# Altium PCB amp.PcbDoc (part 7 of 20) (continued)
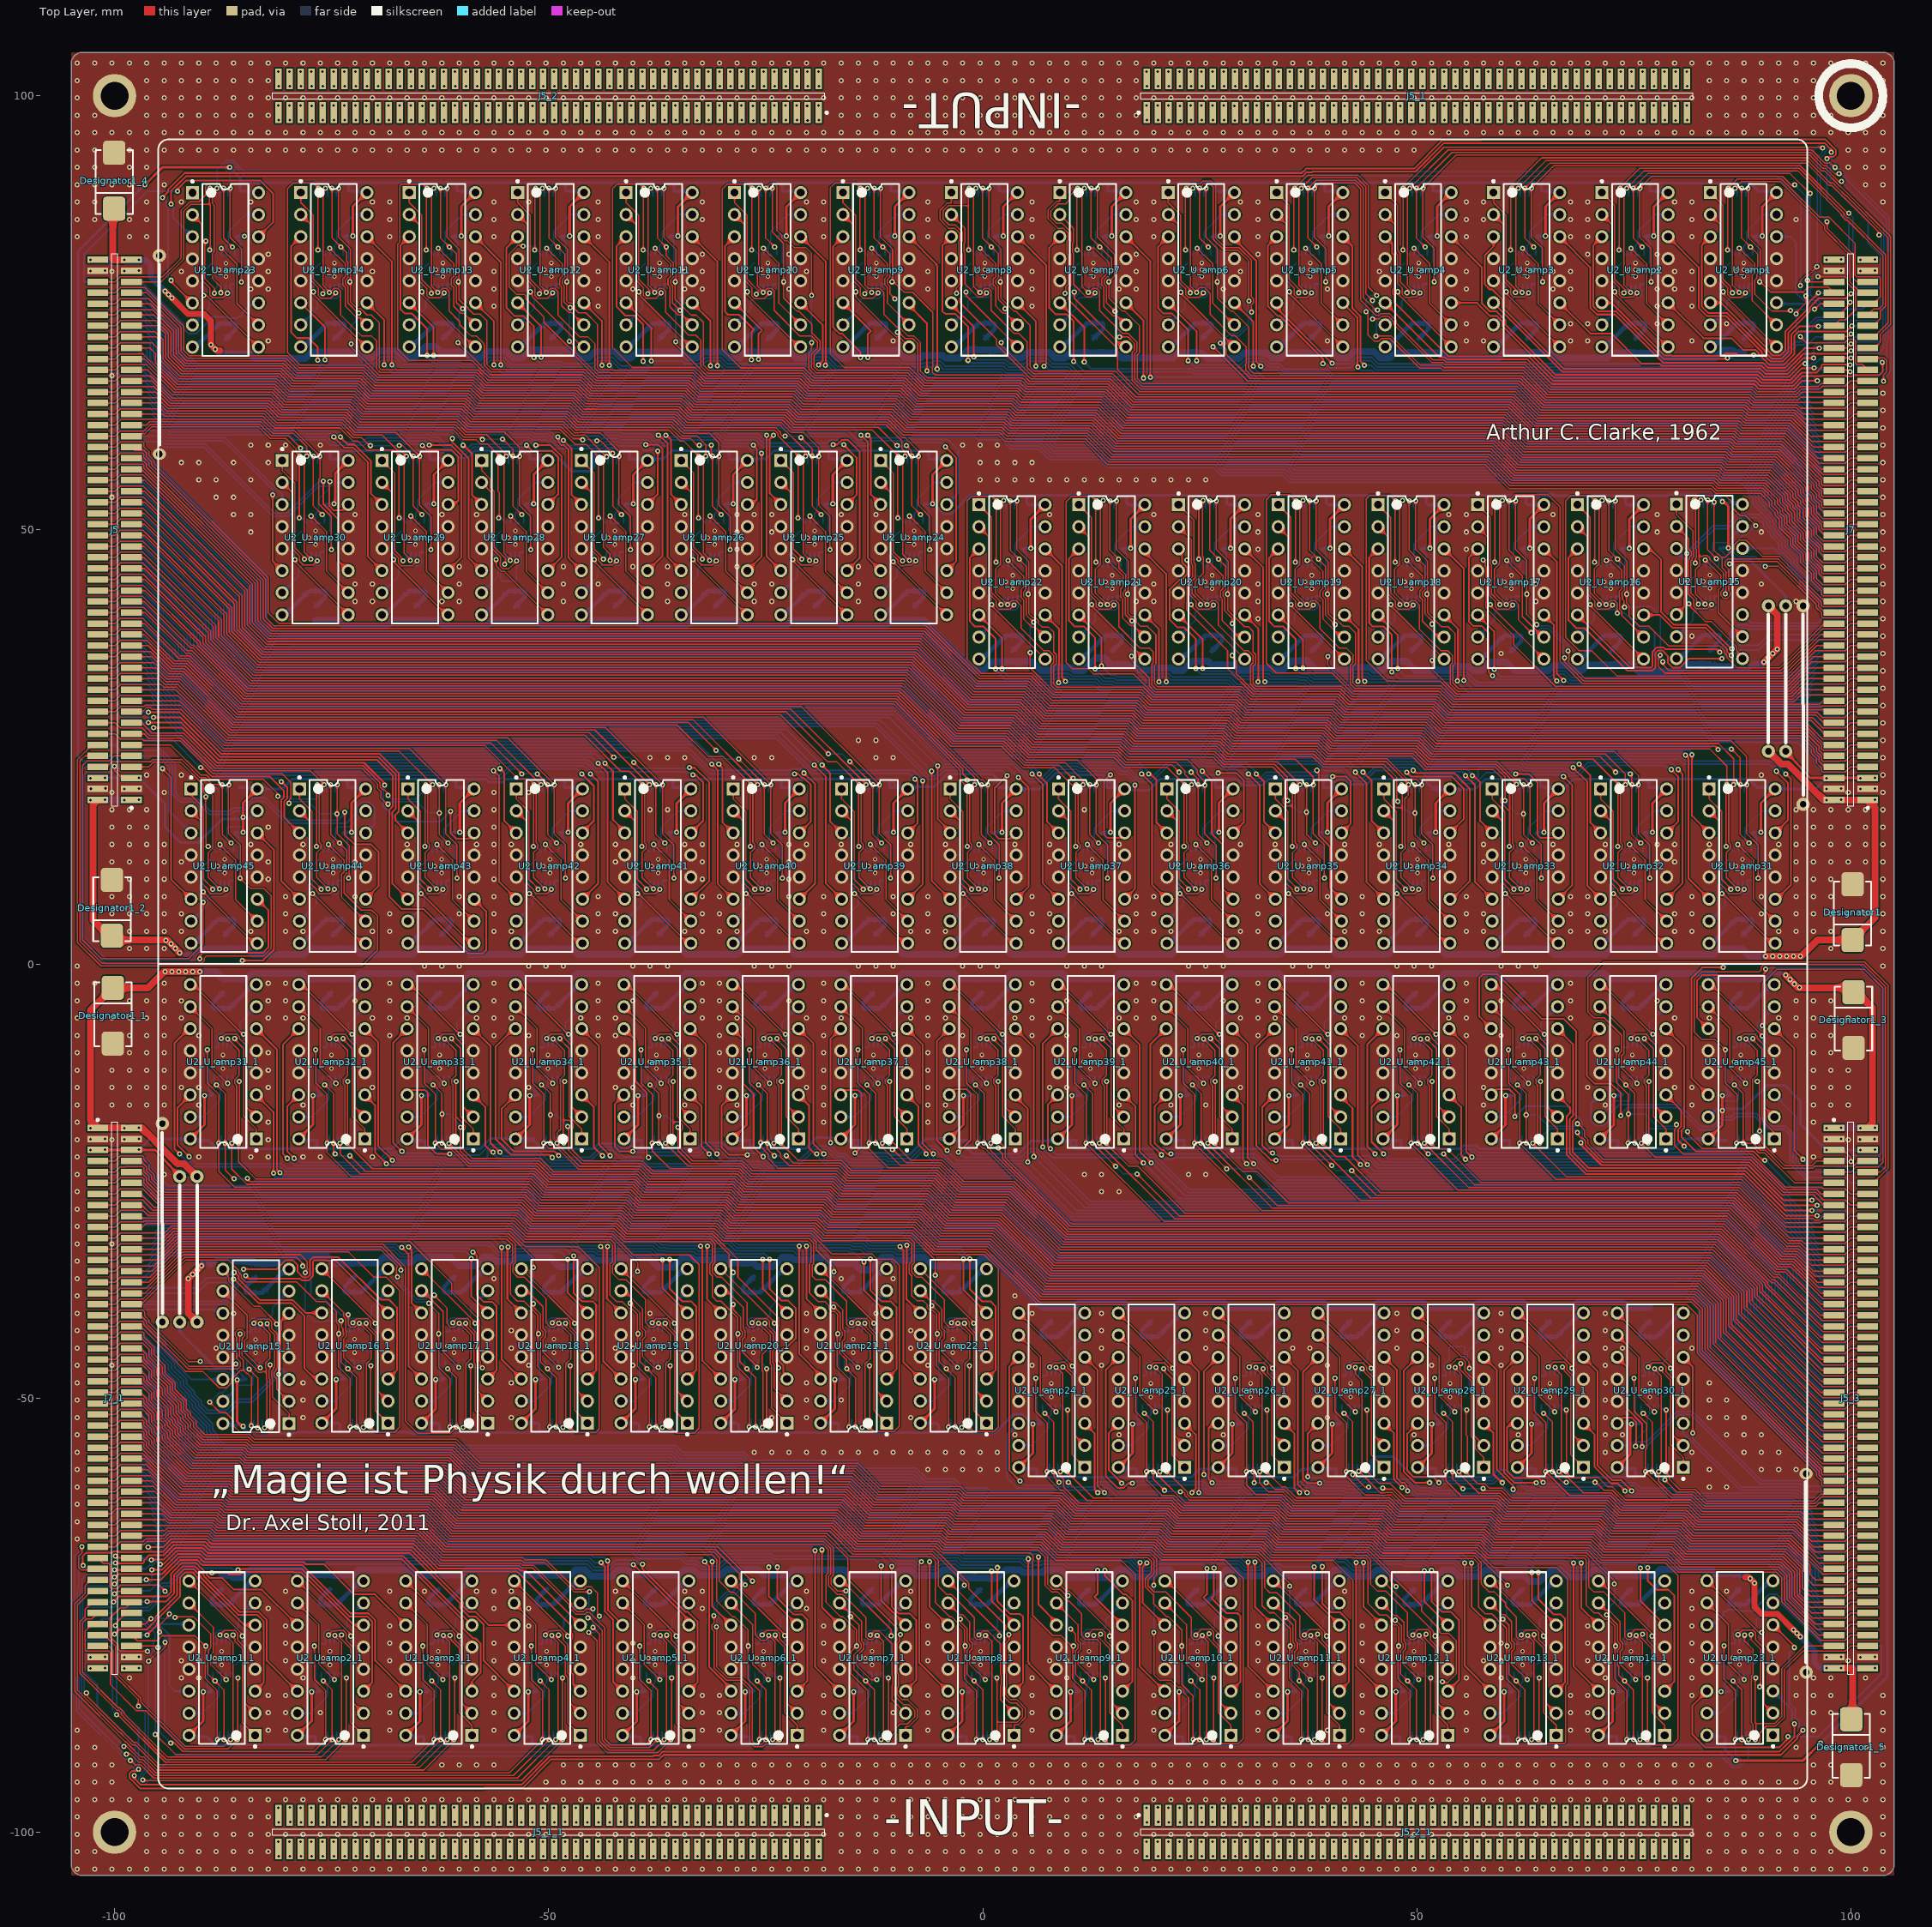
[diagram p0: Top Layer view]
## Nets (pads, with @x,y where several pads share a name; then routed paths per layer and width w, separated by ;. In a path a pad name is that pad's centre, name@x,y a point inside that pad or via, vN(x,y) a via of type N, cw(c..) or ccw(c..) an arc to the next point about the centre after c; other vN are vias at no path point) (continued)
-101.05,20.225 -96.306,21.758 -92.306,21.758 89.694,21.758 103.694,21.758 -38.306,23.758 -36.306,23.758 -34.306,23.758 -26.306,23.758 -24.306,23.758 -12.306,23.758 -10.306,23.758 103.694,23.758 -14.306,25.758 -12.306,25.758 103.694,25.758 103.694,27.758 103.694,29.758 103.694,31.758 103.694,33.758 59.694,35.758 103.694,35.758 81.694,37.758 103.694,37.758 31.694,39.758 103.694,39.758 -72.306,41.758 -70.306,41.758 -62.306,41.758 -60.306,41.758 -48.306,41.758 -36.306,41.758 -26.306,41.758 -24.306,41.758 -14.306,41.758 17.694,41.758 19.694,41.758 31.694,41.758 63.694,41.758 93.694,41.758 103.694,41.758 -72.306,43.758 -70.306,43.758 -60.306,43.758 -48.306,43.758 -44.306,43.758 -36.306,43.758 -26.306,43.758 -24.306,43.758 -14.306,43.758 17.694,43.758 19.694,43.758 31.694,43.758 63.694,43.758 89.694,43.758 103.694,43.758 -60.306,45.758 -48.306,45.758 -40.306,45.758 -36.306,45.758 -28.306,45.758 -14.306,45.758 103.694,45.758 -28.306,47.758 31.694,47.758 55.694,47.758 103.694,47.758 -84.306,49.758 -28.306,49.758 -24.306,49.758 31.694,49.758 55.694,49.758 77.694,49.758 89.694,49.758 103.694,49.758 -86.306,51.758 -84.306,51.758 -72.306,51.758 -62.306,51.758 -58.306,51.758 -34.306,51.758 -28.306,51.758 -26.306,51.758 -24.306,51.758 -16.306,51.758 -12.306,51.758 7.694,51.758 19.694,51.758 31.694,51.758 53.694,51.758 55.694,51.758 65.694,51.758 77.694,51.758 103.694,51.758 -100.306,53.758 -88.306,53.758 -86.306,53.758 103.694,53.758 -90.306,55.758 -88.306,55.758 -84.306,55.758 -0.306,55.758 1.694,55.758 3.694,55.758 5.694,55.758 7.694,55.758 9.694,55.758 11.694,55.758 13.694,55.758 15.694,55.758 17.694,55.758 19.694,55.758 21.694,55.758 23.694,55.758 25.694,55.758 103.694,55.758 -92.306,57.758 -90.306,57.758 -86.306,57.758 -82.306,57.758 -0.306,57.758 1.694,57.758 3.694,57.758 5.694,57.758 103.694,57.758 -84.306,59.758 -82.306,59.758 -80.306,59.758 -76.306,59.758 -2.306,59.758 -0.306,59.758 1.694,59.758 103.694,59.758 103.694,61.758 103.694,63.758 103.694,65.758 -100.306,67.758 -82.306,71.758 -10.306,71.758 39.694,71.758 55.694,71.758 57.694,71.758 67.694,71.758 69.694,71.758 81.694,71.758 55.694,73.758 67.694,73.758 69.694,73.758 77.694,73.758 85.694,73.758 -56.306,75.758 -44.306,75.758 5.694,75.758 77.694,75.758 81.694,75.758 -84.306,77.758 -82.306,77.758 -56.306,77.758 -44.306,77.758 -40.306,77.758 -34.306,77.758 -32.306,77.758 -22.306,77.758 -6.306,77.758 5.694,77.758 15.694,77.758 17.694,77.758 27.694,77.758 39.694,77.758 55.694,77.758 65.694,77.758 67.694,77.758 77.694,77.758 79.694,77.758 81.694,77.758 -100.306,79.758 -92.306,79.758 -84.306,79.758 -82.306,79.758 -70.306,79.758 -56.306,79.758 -44.306,79.758 -34.306,79.758 -32.306,79.758 -22.306,79.758 -20.306,79.758 -6.306,79.758 5.694,79.758 17.694,79.758 27.694,79.758 29.694,79.758 45.694,79.758 55.694,79.758 65.694,79.758 67.694,79.758 77.694,79.758 79.694,79.758 81.694,79.758 -102.8,79.82 -98.9,79.82 97.2,79.82 101.1,79.82 -101.1,79.87 -97.2,79.87 98.9,79.87 102.8,79.87 -82.306,81.758 -32.306,81.758 -22.306,81.758 17.694,81.758 31.694,81.758 69.694,81.758 77.694,81.758 -104.306,83.758 -98.306,83.758 -96.306,83.758 -68.306,83.758 -56.306,83.758 -44.306,83.758 -18.306,83.758 -6.306,83.758 5.694,83.758 19.694,83.758 31.694,83.758 55.694,83.758 67.694,83.758 69.694,83.758 81.694,83.758 -104.306,85.758 -102.306,85.758 -98.306,85.758 -96.306,85.758 -68.306,85.758 -56.306,85.758 -44.306,85.758 -32.306,85.758 -18.306,85.758 -6.306,85.758 5.694,85.758 17.694,85.758 19.694,85.758 31.694,85.758 55.694,85.758 57.694,85.758 67.694,85.758 69.694,85.758 81.694,85.758 93.694,85.758 -104.306,87.758 -102.306,87.758 -96.306,87.758 -92.306,87.758 -84.306,87.758 -70.306,87.758 -68.306,87.758 -56.306,87.758 -52.306,87.758 -44.306,87.758 -32.306,87.758 -20.306,87.758 -18.306,87.758 -6.306,87.758 5.694,87.758 17.694,87.758 19.694,87.758 29.694,87.758 31.694,87.758 55.694,87.758 57.694,87.758 67.694,87.758 69.694,87.758 79.694,87.758 81.694,87.758 103.694,87.758 -104.306,89.758 -102.306,89.758 -100.306,89.758 -98.306,89.758 -94.306,89.758 101.694,89.758 103.694,89.758 -104.306,91.758 -102.306,91.758 -98.306,91.758 -96.306,91.758 99.694,91.758 101.694,91.758 103.694,91.758 -104.306,93.758 -102.306,93.758 -98.306,93.758 -96.306,93.758 -94.306,93.758 -92.306,93.758 -90.306,93.758 -88.306,93.758 -86.306,93.758 -84.306,93.758 -82.306,93.758 -80.306,93.758 -78.306,93.758 -76.306,93.758 -74.306,93.758 -72.306,93.758 -70.306,93.758 -68.306,93.758 -66.306,93.758 -64.306,93.758 -62.306,93.758 -60.306,93.758 -58.306,93.758 -56.306,93.758 -54.306,93.758 -52.306,93.758 -50.306,93.758 -48.306,93.758 -46.306,93.758 -44.306,93.758 -42.306,93.758 -40.306,93.758 -38.306,93.758 -36.306,93.758 -34.306,93.758 -32.306,93.758 -30.306,93.758 -28.306,93.758 -26.306,93.758 -24.306,93.758 -22.306,93.758 -20.306,93.758 -18.306,93.758 -16.306,93.758 -14.306,93.758 -12.306,93.758 -10.306,93.758 -8.306,93.758 -6.306,93.758 -4.306,93.758 -2.306,93.758 -0.306,93.758 1.694,93.758 3.694,93.758 5.694,93.758 7.694,93.758 9.694,93.758 11.694,93.758 13.694,93.758 15.694,93.758 17.694,93.758 19.694,93.758 21.694,93.758 23.694,93.758 25.694,93.758 27.694,93.758 29.694,93.758 31.694,93.758 33.694,93.758 35.694,93.758 37.694,93.758 39.694,93.758 41.694,93.758 43.694,93.758 45.694,93.758 47.694,93.758 49.694,93.758 99.694,93.758 101.694,93.758 103.694,93.758 -104.306,95.758 -102.306,95.758 -100.306,95.758 -98.306,95.758 -96.306,95.758 -94.306,95.758 -92.306,95.758 -90.306,95.758 -88.306,95.758 -86.306,95.758 -84.306,95.758 -82.306,95.758 -80.306,95.758 -78.306,95.758 -76.306,95.758 -74.306,95.758 -72.306,95.758 -70.306,95.758 -68.306,95.758 -66.306,95.758 -64.306,95.758 -62.306,95.758 -60.306,95.758 -58.306,95.758 -56.306,95.758 -54.306,95.758 -52.306,95.758 -50.306,95.758 -48.306,95.758 -46.306,95.758 -44.306,95.758 -42.306,95.758 -40.306,95.758 -38.306,95.758 -36.306,95.758 -34.306,95.758 -32.306,95.758 -30.306,95.758 -28.306,95.758 -26.306,95.758 -24.306,95.758 -22.306,95.758 -20.306,95.758 -18.306,95.758 -16.306,95.758 -14.306,95.758 -12.306,95.758 -10.306,95.758 -8.306,95.758 -6.306,95.758 -4.306,95.758 -2.306,95.758 -0.306,95.758 1.694,95.758 3.694,95.758 5.694,95.758 7.694,95.758 9.694,95.758 11.694,95.758 13.694,95.758 15.694,95.758 17.694,95.758 19.694,95.758 21.694,95.758 23.694,95.758 25.694,95.758 27.694,95.758 29.694,95.758 31.694,95.758 33.694,95.758 35.694,95.758 37.694,95.758 39.694,95.758 41.694,95.758 43.694,95.758 45.694,95.758 47.694,95.758 49.694,95.758 51.694,95.758 53.694,95.758 55.694,95.758 57.694,95.758 59.694,95.758 61.694,95.758 63.694,95.758 65.694,95.758 67.694,95.758 69.694,95.758 71.694,95.758 73.694,95.758 75.694,95.758 77.694,95.758 79.694,95.758 81.694,95.758 83.694,95.758 85.694,95.758 87.694,95.758 89.694,95.758 91.694,95.758 93.694,95.758 95.694,95.758 97.694,95.758 99.694,95.758 101.694,95.758 103.694,95.758 -104.306,97.758 -102.306,97.758 -96.306,97.758 -94.306,97.758 -92.306,97.758 -90.306,97.758 -88.306,97.758 -86.306,97.758 -84.306,97.758 -82.306,97.758 -16.306,97.758 -14.306,97.758 -12.306,97.758 -10.306,97.758 -8.306,97.758 -6.306,97.758 -4.306,97.758 -2.306,97.758 -0.306,97.758 1.694,97.758 3.694,97.758 5.694,97.758 7.694,97.758 9.694,97.758 11.694,97.758 13.694,97.758 15.694,97.758 17.694,97.758 83.694,97.758 85.694,97.758 87.694,97.758 89.694,97.758 91.694,97.758 93.694,97.758 95.694,97.758 97.694,97.758 103.694,97.758 -104.306,99.758 -96.306,99.758 -94.306,99.758 -92.306,99.758 -90.306,99.758 -88.306,99.758 -86.306,99.758 -84.306,99.758 -82.306,99.758 -80.306,99.758 -78.306,99.758 -76.306,99.758 -74.306,99.758 -72.306,99.758 -70.306,99.758 -68.306,99.758 -66.306,99.758 -64.306,99.758 -62.306,99.758 -60.306,99.758 -58.306,99.758 -56.306,99.758 -54.306,99.758 -52.306,99.758 -50.306,99.758 -48.306,99.758 -46.306,99.758 -44.306,99.758 -42.306,99.758 -40.306,99.758 -38.306,99.758 -36.306,99.758 -34.306,99.758 -32.306,99.758 -30.306,99.758 -28.306,99.758 -26.306,99.758 -24.306,99.758 -22.306,99.758 -20.306,99.758 -18.306,99.758 -16.306,99.758 -14.306,99.758 -12.306,99.758 -10.306,99.758 -8.306,99.758 -6.306,99.758 -4.306,99.758 -2.306,99.758 -0.306,99.758 1.694,99.758 3.694,99.758 5.694,99.758 7.694,99.758 9.694,99.758 11.694,99.758 13.694,99.758 15.694,99.758 17.694,99.758 19.694,99.758 21.694,99.758 23.694,99.758 25.694,99.758 27.694,99.758 29.694,99.758 31.694,99.758 33.694,99.758 35.694,99.758 37.694,99.758 39.694,99.758 41.694,99.758 43.694,99.758 45.694,99.758 47.694,99.758 49.694,99.758 51.694,99.758 53.694,99.758 55.694,99.758 57.694,99.758 59.694,99.758 61.694,99.758 63.694,99.758 65.694,99.758 67.694,99.758 69.694,99.758 71.694,99.758 73.694,99.758 75.694,99.758 77.694,99.758 79.694,99.758 81.694,99.758 83.694,99.758 85.694,99.758 87.694,99.758 89.694,99.758 91.694,99.758 93.694,99.758 95.694,99.758 103.694,99.758 -104.306,101.758 -96.306,101.758 -94.306,101.758 -92.306,101.758 -90.306,101.758 -88.306,101.758 -86.306,101.758 -84.306,101.758 -82.306,101.758 -16.306,101.758 -14.306,101.758 -12.306,101.758 -10.306,101.758 -8.306,101.758 -6.306,101.758 -4.306,101.758 -2.306,101.758 -0.306,101.758 1.694,101.758 3.694,101.758 5.694,101.758 7.694,101.758 9.694,101.758 11.694,101.758 13.694,101.758 15.694,101.758 17.694,101.758 83.694,101.758 85.694,101.758 87.694,101.758 89.694,101.758 91.694,101.758 93.694,101.758 95.694,101.758 103.694,101.758 -104.306,103.758 -102.306,103.758 -100.306,103.758 -98.306,103.758 -96.306,103.758 -94.306,103.758 -92.306,103.758 -90.306,103.758 -88.306,103.758 -86.306,103.758 -84.306,103.758 -82.306,103.758 -80.306,103.758 -78.306,103.758 -76.306,103.758 -74.306,103.758 -72.306,103.758 -70.306,103.758 -68.306,103.758 -66.306,103.758 -64.306,103.758 -62.306,103.758 -60.306,103.758 -58.306,103.758 -56.306,103.758 -54.306,103.758 -52.306,103.758 -50.306,103.758 -48.306,103.758 -46.306,103.758 -44.306,103.758 -42.306,103.758 -40.306,103.758 -38.306,103.758 -36.306,103.758 -34.306,103.758 -32.306,103.758 -30.306,103.758 -28.306,103.758 -26.306,103.758 -24.306,103.758 -22.306,103.758 -20.306,103.758 -18.306,103.758 -16.306,103.758 -14.306,103.758 -12.306,103.758 -10.306,103.758 -8.306,103.758 -6.306,103.758 -4.306,103.758 -2.306,103.758 -0.306,103.758 1.694,103.758 3.694,103.758 5.694,103.758 7.694,103.758 9.694,103.758 11.694,103.758 13.694,103.758 15.694,103.758 17.694,103.758 19.694,103.758 21.694,103.758 23.694,103.758 25.694,103.758 27.694,103.758 29.694,103.758 31.694,103.758 33.694,103.758 35.694,103.758 37.694,103.758 39.694,103.758 41.694,103.758 43.694,103.758 45.694,103.758 47.694,103.758 49.694,103.758 51.694,103.758 53.694,103.758 55.694,103.758 57.694,103.758 59.694,103.758 61.694,103.758 63.694,103.758 65.694,103.758 67.694,103.758 69.694,103.758 71.694,103.758 73.694,103.758 75.694,103.758 77.694,103.758 79.694,103.758 81.694,103.758 83.694,103.758 85.694,103.758 87.694,103.758 89.694,103.758 91.694,103.758 93.694,103.758 95.694,103.758 97.694,103.758 99.694,103.758 101.694,103.758 103.694,103.758
  other v2: -87.687,-80.73 -75.197,-80.73 -62.707,-80.73 -50.217,-80.73 -37.727,-80.73 -25.236,-80.73 -12.746,-80.73 -0.256,-80.73 12.234,-80.73 24.724,-80.73 37.215,-80.73 49.705,-80.73 62.195,-80.73 74.685,-80.73 87.174,-80.71 -88.462,-79.955 -87.687,-79.955 -86.912,-79.955 -75.972,-79.955 -75.197,-79.955 -74.422,-79.955 -63.482,-79.955 -62.707,-79.955 -61.932,-79.955 -50.992,-79.955 -50.217,-79.955 -49.442,-79.955 -38.502,-79.955 -37.727,-79.955 -36.952,-79.955 -26.011,-79.955 -25.236,-79.955 -24.461,-79.955 -13.521,-79.955 -12.746,-79.955 -11.971,-79.955 -0.965,-79.959 -0.256,-79.955 0.519,-79.955 11.459,-79.955 12.234,-79.955 13.009,-79.955 23.949,-79.955 24.724,-79.955 25.499,-79.955 36.44,-79.955 37.215,-79.955 37.99,-79.955 48.93,-79.955 49.705,-79.955 50.48,-79.955 61.493,-79.959 62.195,-79.955 62.97,-79.955 73.91,-79.955 74.685,-79.955 75.46,-79.955 86.399,-79.935 87.174,-79.935 87.949,-79.935 -87.687,-79.18 -75.197,-79.18 -62.707,-79.18 -50.217,-79.18 -37.727,-79.18 -25.236,-79.18 -12.746,-79.18 -0.256,-79.18 12.234,-79.18 24.724,-79.18 37.215,-79.18 49.705,-79.18 62.195,-79.18 74.685,-79.18 87.174,-79.16 7.89,-49.876 19.38,-49.876 30.87,-49.876 42.361,-49.876 53.851,-49.876 65.341,-49.876 76.831,-49.876 7.115,-49.101 7.89,-49.101 8.665,-49.101 18.605,-49.101 19.38,-49.101 20.155,-49.101 30.095,-49.101 30.87,-49.101 31.645,-49.101 41.586,-49.101 42.361,-49.101 43.136,-49.101 53.076,-49.101 53.851,-49.101 54.626,-49.101 64.566,-49.101 65.341,-49.101 66.116,-49.101 76.056,-49.101 76.831,-49.101 77.606,-49.101 7.89,-48.326 19.38,-48.326 30.87,-48.326 42.361,-48.326 53.851,-48.326 65.341,-48.326 76.831,-48.326 -83.775,-44.814 -72.377,-44.77 -60.887,-44.77 -49.397,-44.77 -37.907,-44.77 -26.416,-44.77 -14.926,-44.77 -3.436,-44.77 -84.55,-44.039 -83.775,-44.039 -83,-44.039 -73.152,-43.995 -72.377,-43.995 -71.602,-43.995 -61.662,-43.995 -60.887,-43.995 -60.112,-43.995 -50.172,-43.995 -49.397,-43.995 -48.622,-43.995 -38.608,-43.993 -37.907,-43.995 -37.132,-43.995 -27.191,-43.995 -26.416,-43.995 -25.641,-43.995 -15.701,-43.995 -14.926,-43.995 -14.151,-43.995 -4.211,-43.995 -3.436,-43.995 -2.661,-43.995 -83.775,-43.264 -72.377,-43.22 -60.887,-43.22 -49.397,-43.22 -37.907,-43.22 -26.416,-43.22 -14.926,-43.22 -3.436,-43.22 -87.535,-12.043 -75.045,-12.043 -62.555,-12.043 -50.064,-12.043 -37.574,-12.043 -25.084,-12.043 -12.594,-12.043 -0.104,-12.043 12.387,-12.043 24.877,-12.043 37.367,-12.043 49.857,-12.043 62.347,-12.043 74.838,-12.043 87.328,-12.043 -88.31,-11.268 -87.535,-11.268 -86.76,-11.268 -75.82,-11.268 -75.045,-11.268 -74.27,-11.268 -63.33,-11.268 -62.555,-11.268 -61.78,-11.268 -50.839,-11.268 -50.064,-11.268 -49.289,-11.268 -38.349,-11.268 -37.574,-11.268 -36.799,-11.268 -25.859,-11.268 -25.084,-11.268 -24.309,-11.268 -13.369,-11.268 -12.594,-11.268 -11.819,-11.268 -0.879,-11.268 -0.104,-11.268 0.671,-11.268 11.612,-11.268 12.387,-11.268 13.162,-11.268 24.102,-11.268 24.877,-11.268 25.652,-11.268 36.592,-11.268 37.367,-11.268 38.142,-11.268 49.082,-11.268 49.857,-11.268 50.632,-11.268 61.572,-11.268 62.347,-11.268 63.122,-11.268 74.063,-11.268 74.838,-11.268 75.613,-11.268 86.553,-11.268 87.328,-11.268 88.103,-11.268 -87.535,-10.493 -75.045,-10.493 -62.555,-10.493 -50.064,-10.493 -37.574,-10.493 -25.084,-10.493 -12.594,-10.493 -0.104,-10.493 12.387,-10.493 24.877,-10.493 37.367,-10.493 49.857,-10.493 62.347,-10.493 74.838,-10.493 87.328,-10.493 -87.328,10.493 -74.838,10.493 -62.347,10.493 -49.857,10.493 -37.367,10.493 -24.877,10.493 -12.387,10.493 0.104,10.493 12.594,10.493 25.084,10.493 37.574,10.493 50.064,10.493 62.555,10.493 75.045,10.493 87.535,10.493 -88.103,11.268 -87.328,11.268 -86.553,11.268 -75.613,11.268 -74.838,11.268 -74.063,11.268 -63.122,11.268 -62.347,11.268 -61.572,11.268 -50.632,11.268 -49.857,11.268 -49.082,11.268 -38.142,11.268 -37.367,11.268 -36.592,11.268 -25.652,11.268 -24.877,11.268 -24.102,11.268 -13.162,11.268 -12.387,11.268 -11.612,11.268 -0.671,11.268 0.104,11.268 0.879,11.268 11.819,11.268 12.594,11.268 13.369,11.268 24.309,11.268 25.084,11.268 25.859,11.268 36.799,11.268 37.574,11.268 38.349,11.268 49.289,11.268 50.064,11.268 50.839,11.268 61.78,11.268 62.555,11.268 63.33,11.268 74.27,11.268 75.045,11.268 75.82,11.268 86.76,11.268 87.535,11.268 88.31,11.268 -87.328,12.043 -74.838,12.043 -62.347,12.043 -49.857,12.043 -37.367,12.043 -24.877,12.043 -12.387,12.043 0.104,12.043 12.594,12.043 25.084,12.043 37.574,12.043 50.064,12.043 62.555,12.043 75.045,12.043 87.535,12.043 3.436,43.22 14.926,43.22 26.416,43.22 37.907,43.22 49.397,43.22 60.887,43.22 72.377,43.22 83.775,43.264 2.661,43.995 3.436,43.995 4.211,43.995 14.151,43.995 14.926,43.995 15.701,43.995 25.641,43.995 26.416,43.995 27.191,43.995 37.132,43.995 37.907,43.995 38.608,43.993 48.622,43.995 49.397,43.995 50.172,43.995 60.112,43.995 60.887,43.995 61.662,43.995 71.602,43.995 72.377,43.995 73.152,43.995 83,44.039 83.775,44.039 84.55,44.039 3.436,44.77 14.926,44.77 26.416,44.77 37.907,44.77 49.397,44.77 60.887,44.77 72.377,44.77 83.775,44.814 -76.831,48.326 -65.341,48.326 -53.851,48.326 -42.361,48.326 -30.87,48.326 -19.38,48.326 -7.89,48.326 -77.606,49.101 -76.831,49.101 -76.056,49.101 -66.116,49.101 -65.341,49.101 -64.566,49.101 -54.626,49.101 -53.851,49.101 -53.076,49.101 -43.136,49.101 -42.361,49.101 -41.586,49.101 -31.645,49.101 -30.87,49.101 -30.095,49.101 -20.155,49.101 -19.38,49.101 -18.605,49.101 -8.665,49.101 -7.89,49.101 -7.115,49.101 -76.831,49.876 -65.341,49.876 -53.851,49.876 -42.361,49.876 -30.87,49.876 -19.38,49.876 -7.89,49.876 -87.174,79.16 -74.685,79.18 -62.195,79.18 -49.705,79.18 -37.215,79.18 -24.724,79.18 -12.234,79.18 0.256,79.18 12.746,79.18 25.236,79.18 37.727,79.18 50.217,79.18 62.707,79.18 75.197,79.18 87.687,79.18 -87.949,79.935 -87.174,79.935 -86.399,79.935 -75.46,79.955 -74.685,79.955 -73.91,79.955 -62.97,79.955 -62.195,79.955 -61.493,79.959 -50.48,79.955 -49.705,79.955 -48.93,79.955 -37.99,79.955 -37.215,79.955 -36.44,79.955 -25.499,79.955 -24.724,79.955 -23.949,79.955 -13.009,79.955 -12.234,79.955 -11.459,79.955 -0.519,79.955 0.256,79.955 0.965,79.959 11.971,79.955 12.746,79.955 13.521,79.955 24.461,79.955 25.236,79.955 26.011,79.955 36.952,79.955 37.727,79.955 38.502,79.955 49.442,79.955 50.217,79.955 50.992,79.955 61.932,79.955 62.707,79.955 63.482,79.955 74.422,79.955 75.197,79.955 75.972,79.955 86.912,79.955 87.687,79.955 88.462,79.955 -87.174,80.71 -74.685,80.73 -62.195,80.73 -49.705,80.73 -37.215,80.73 -24.724,80.73 -12.234,80.73 0.256,80.73 12.746,80.73 25.236,80.73 37.727,80.73 50.217,80.73 62.707,80.73 75.197,80.73 87.687,80.73
NetC3_U_amp1_2: C3_U_amp1.2 C3_U_amp1_1.2 C4_U_amp1.2 C4_U_amp1_1.2 R2_U_amp1.1 R2_U_amp1_1.1 U2_U_amp1.8 U2_U_amp1_1.8 | length 16.7
  Bottom Layer w0.5: R2_U_amp1_1.1@-87.671,-71.991 -88.814,-73.134 C3_U_amp1_1.2@-88.814,-73.693 -88.71,-73.797 C4_U_amp1_1.2@-86.909,-73.797 -84.182,-71.07 U2_U_amp1_1.8@-83.82,-71.07 ; U2_U_amp1.8@83.82,71.07 84.182,71.07 C4_U_amp1.2@86.909,73.797 88.71,73.797 C3_U_amp1.2@88.814,73.693 88.814,73.134 R2_U_amp1.1@87.671,71.991
NetC3_U_amp2_2: C3_U_amp2.2 C3_U_amp2_1.2 C4_U_amp2.2 C4_U_amp2_1.2 R2_U_amp2.1 R2_U_amp2_1.1 U2_U_amp2.8 U2_U_amp2_1.8 | length 16.7
  Bottom Layer w0.5: R2_U_amp2_1.1@-75.181,-71.991 -76.324,-73.134 C3_U_amp2_1.2@-76.324,-73.693 -76.22,-73.797 C4_U_amp2_1.2@-74.419,-73.797 -71.692,-71.07 U2_U_amp2_1.8@-71.33,-71.07 ; U2_U_amp2.8@71.33,71.07 71.692,71.07 C4_U_amp2.2@74.419,73.797 76.22,73.797 C3_U_amp2.2@76.324,73.693 76.324,73.134 R2_U_amp2.1@75.181,71.991
NetC3_U_amp3_2: C3_U_amp3.2 C3_U_amp3_1.2 C4_U_amp3.2 C4_U_amp3_1.2 R2_U_amp3.1 R2_U_amp3_1.1 U2_U_amp3.8 U2_U_amp3_1.8 | length 16.7
  Bottom Layer w0.5: R2_U_amp3_1.1@-62.691,-71.991 -63.834,-73.134 C3_U_amp3_1.2@-63.834,-73.693 -63.73,-73.797 C4_U_amp3_1.2@-61.929,-73.797 -59.202,-71.07 U2_U_amp3_1.8@-58.84,-71.07 ; U2_U_amp3.8@58.84,71.07 59.202,71.07 C4_U_amp3.2@61.929,73.797 63.73,73.797 C3_U_amp3.2@63.834,73.693 63.834,73.134 R2_U_amp3.1@62.691,71.991
NetC3_U_amp4_2: C3_U_amp4.2 C3_U_amp4_1.2 C4_U_amp4.2 C4_U_amp4_1.2 R2_U_amp4.1 R2_U_amp4_1.1 U2_U_amp4.8 U2_U_amp4_1.8 | length 16.7
  Bottom Layer w0.5: R2_U_amp4_1.1@-50.201,-71.991 -51.344,-73.134 C3_U_amp4_1.2@-51.344,-73.693 -51.24,-73.797 C4_U_amp4_1.2@-49.439,-73.797 -46.712,-71.07 U2_U_amp4_1.8@-46.35,-71.07 ; U2_U_amp4.8@46.35,71.07 46.712,71.07 C4_U_amp4.2@49.439,73.797 51.24,73.797 C3_U_amp4.2@51.344,73.693 51.344,73.134 R2_U_amp4.1@50.201,71.991
NetC3_U_amp5_2: C3_U_amp5.2 C3_U_amp5_1.2 C4_U_amp5.2 C4_U_amp5_1.2 R2_U_amp5.1 R2_U_amp5_1.1 U2_U_amp5.8 U2_U_amp5_1.8 | length 16.7
  Bottom Layer w0.5: R2_U_amp5_1.1@-37.711,-71.991 -38.854,-73.134 C3_U_amp5_1.2@-38.854,-73.693 -38.75,-73.797 C4_U_amp5_1.2@-36.949,-73.797 -34.222,-71.07 U2_U_amp5_1.8@-33.86,-71.07 ; U2_U_amp5.8@33.86,71.07 34.222,71.07 C4_U_amp5.2@36.949,73.797 38.75,73.797 C3_U_amp5.2@38.854,73.693 38.854,73.134 R2_U_amp5.1@37.711,71.991
NetC3_U_amp6_2: C3_U_amp6.2 C3_U_amp6_1.2 C4_U_amp6.2 C4_U_amp6_1.2 R2_U_amp6.1 R2_U_amp6_1.1 U2_U_amp6.8 U2_U_amp6_1.8 | length 16.7
  Bottom Layer w0.5: R2_U_amp6_1.1@-25.22,-71.991 -26.363,-73.134 C3_U_amp6_1.2@-26.363,-73.693 -26.259,-73.797 C4_U_amp6_1.2@-24.458,-73.797 -21.731,-71.07 U2_U_amp6_1.8@-21.369,-71.07 ; U2_U_amp6.8@21.369,71.07 21.731,71.07 C4_U_amp6.2@24.458,73.797 26.259,73.797 C3_U_amp6.2@26.363,73.693 26.363,73.134 R2_U_amp6.1@25.22,71.991
NetC3_U_amp7_2: C3_U_amp7.2 C3_U_amp7_1.2 C4_U_amp7.2 C4_U_amp7_1.2 R2_U_amp7.1 R2_U_amp7_1.1 U2_U_amp7.8 U2_U_amp7_1.8 | length 16.7
  Bottom Layer w0.5: R2_U_amp7_1.1@-12.73,-71.991 -13.873,-73.134 C3_U_amp7_1.2@-13.873,-73.693 -13.769,-73.797 C4_U_amp7_1.2@-11.968,-73.797 -9.241,-71.07 U2_U_amp7_1.8@-8.879,-71.07 ; U2_U_amp7.8@8.879,71.07 9.241,71.07 C4_U_amp7.2@11.968,73.797 13.769,73.797 C3_U_amp7.2@13.873,73.693 13.873,73.134 R2_U_amp7.1@12.73,71.991
NetC3_U_amp8_2: C3_U_amp8.2 C3_U_amp8_1.2 C4_U_amp8.2 C4_U_amp8_1.2 R2_U_amp8.1 R2_U_amp8_1.1 U2_U_amp8.8 U2_U_amp8_1.8 | length 16.7
  Bottom Layer w0.5: U2_U_amp8.8@-3.611,71.07 -3.249,71.07 C4_U_amp8.2@-0.522,73.797 1.279,73.797 C3_U_amp8.2@1.383,73.693 1.383,73.134 R2_U_amp8.1@0.24,71.991 ; R2_U_amp8_1.1@-0.24,-71.991 -1.383,-73.134 C3_U_amp8_1.2@-1.383,-73.693 -1.279,-73.797 C4_U_amp8_1.2@0.522,-73.797 3.249,-71.07 U2_U_amp8_1.8@3.611,-71.07
NetC3_U_amp9_2: C3_U_amp9.2 C3_U_amp9_1.2 C4_U_amp9.2 C4_U_amp9_1.2 R2_U_amp9.1 R2_U_amp9_1.1 U2_U_amp9.8 U2_U_amp9_1.8 | length 16.7
  Bottom Layer w0.5: U2_U_amp9.8@-16.101,71.07 -15.739,71.07 C4_U_amp9.2@-13.012,73.797 -11.211,73.797 C3_U_amp9.2@-11.107,73.693 -11.107,73.134 R2_U_amp9.1@-12.25,71.991 ; R2_U_amp9_1.1@12.25,-71.991 11.107,-73.134 11.107,-73.693 11.211,-73.797 13.012,-73.797 15.739,-71.07 U2_U_amp9_1.8@16.101,-71.07
NetC3_U_amp10_2: C3_U_amp10.2 C3_U_amp10_1.2 C4_U_amp10.2 C4_U_amp10_1.2 R2_U_amp10.1 R2_U_amp10_1.1 U2_U_amp10.8 U2_U_amp10_1.8 | length 16.7
  Bottom Layer w0.5: U2_U_amp10.8@-28.591,71.07 -28.229,71.07 C4_U_amp10.2@-25.502,73.797 -23.701,73.797 C3_U_amp10.2@-23.597,73.693 -23.597,73.134 R2_U_amp10.1@-24.74,71.991 ; R2_U_amp10_1.1@24.74,-71.991 23.597,-73.134 C3_U_amp10_1.2@23.597,-73.693 23.701,-73.797 C4_U_amp10_1.2@25.502,-73.797 28.229,-71.07 U2_U_amp10_1.8@28.591,-71.07
NetC3_U_amp11_2: C3_U_amp11.2 C3_U_amp11_1.2 C4_U_amp11.2 C4_U_amp11_1.2 R2_U_amp11.1 R2_U_amp11_1.1 U2_U_amp11.8 U2_U_amp11_1.8 | length 16.7
  Bottom Layer w0.5: U2_U_amp11.8@-41.082,71.07 -40.72,71.07 C4_U_amp11.2@-37.993,73.797 -36.192,73.797 C3_U_amp11.2@-36.088,73.693 -36.088,73.134 R2_U_amp11.1@-37.231,71.991 ; R2_U_amp11_1.1@37.231,-71.991 36.088,-73.134 C3_U_amp11_1.2@36.088,-73.693 36.192,-73.797 C4_U_amp11_1.2@37.993,-73.797 40.72,-71.07 U2_U_amp11_1.8@41.082,-71.07
NetC3_U_amp12_2: C3_U_amp12.2 C3_U_amp12_1.2 C4_U_amp12.2 C4_U_amp12_1.2 R2_U_amp12.1 R2_U_amp12_1.1 U2_U_amp12.8 U2_U_amp12_1.8 | length 16.7
  Bottom Layer w0.5: U2_U_amp12.8@-53.572,71.07 -53.21,71.07 C4_U_amp12.2@-50.483,73.797 -48.682,73.797 C3_U_amp12.2@-48.578,73.693 -48.578,73.134 R2_U_amp12.1@-49.721,71.991 ; R2_U_amp12_1.1@49.721,-71.991 48.578,-73.134 C3_U_amp12_1.2@48.578,-73.693 48.682,-73.797 C4_U_amp12_1.2@50.483,-73.797 53.21,-71.07 U2_U_amp12_1.8@53.572,-71.07
NetC3_U_amp13_2: C3_U_amp13.2 C3_U_amp13_1.2 C4_U_amp13.2 C4_U_amp13_1.2 R2_U_amp13.1 R2_U_amp13_1.1 U2_U_amp13.8 U2_U_amp13_1.8 | length 16.7
  Bottom Layer w0.5: U2_U_amp13.8@-66.062,71.07 -65.81,71.07 -63.083,73.797 -61.172,73.797 C3_U_amp13.2@-61.068,73.693 -61.068,73.134 R2_U_amp13.1@-62.211,71.991 ; R2_U_amp13_1.1@62.211,-71.991 61.068,-73.134 C3_U_amp13_1.2@61.068,-73.693 61.172,-73.797 63.083,-73.797 65.81,-71.07 U2_U_amp13_1.8@66.062,-71.07
NetC3_U_amp14_2: C3_U_amp14.2 C3_U_amp14_1.2 C4_U_amp14.2 C4_U_amp14_1.2 R2_U_amp14.1 R2_U_amp14_1.1 U2_U_amp14.8 U2_U_amp14_1.8 | length 16.7
  Bottom Layer w0.5: U2_U_amp14.8@-78.552,71.07 -78.19,71.07 C4_U_amp14.2@-75.463,73.797 -73.662,73.797 C3_U_amp14.2@-73.558,73.693 -73.558,73.134 R2_U_amp14.1@-74.701,71.991 ; R2_U_amp14_1.1@74.701,-71.991 73.558,-73.134 C3_U_amp14_1.2@73.558,-73.693 73.662,-73.797 C4_U_amp14_1.2@75.463,-73.797 78.19,-71.07 U2_U_amp14_1.8@78.552,-71.07
NetC3_U_amp15_2: C3_U_amp15.2 C3_U_amp15_1.2 C4_U_amp15.2 C4_U_amp15_1.2 R2_U_amp15.1 R2_U_amp15_1.1 U2_U_amp15.8 U2_U_amp15_1.8 | length 16.7
  Bottom Layer w0.5: R2_U_amp15_1.1@-83.759,-36.075 -84.902,-37.218 C3_U_amp15_1.2@-84.902,-37.777 -84.798,-37.881 C4_U_amp15_1.2@-82.997,-37.881 -80.27,-35.154 U2_U_amp15_1.8@-79.908,-35.154 ; U2_U_amp15.8@79.908,35.154 80.27,35.154 C4_U_amp15.2@82.997,37.881 84.798,37.881 C3_U_amp15.2@84.902,37.777 84.902,37.218 R2_U_amp15.1@83.759,36.075
NetC3_U_amp16_2: C3_U_amp16.2 C3_U_amp16_1.2 C4_U_amp16.2 C4_U_amp16_1.2 R2_U_amp16.1 R2_U_amp16_1.1 U2_U_amp16.8 U2_U_amp16_1.8 | length 16.7
  Bottom Layer w0.5: R2_U_amp16_1.1@-72.361,-36.031 -73.504,-37.174 C3_U_amp16_1.2@-73.504,-37.733 -73.4,-37.837 C4_U_amp16_1.2@-71.599,-37.837 -68.872,-35.11 U2_U_amp16_1.8@-68.51,-35.11 ; U2_U_amp16.8@68.51,35.11 68.872,35.11 C4_U_amp16.2@71.599,37.837 73.4,37.837 C3_U_amp16.2@73.504,37.733 73.504,37.174 R2_U_amp16.1@72.361,36.031
NetC3_U_amp17_2: C3_U_amp17.2 C3_U_amp17_1.2 C4_U_amp17.2 C4_U_amp17_1.2 R2_U_amp17.1 R2_U_amp17_1.1 U2_U_amp17.8 U2_U_amp17_1.8 | length 16.7
  Bottom Layer w0.5: R2_U_amp17_1.1@-60.871,-36.031 -62.014,-37.174 C3_U_amp17_1.2@-62.014,-37.733 -61.91,-37.837 C4_U_amp17_1.2@-60.109,-37.837 -57.382,-35.11 U2_U_amp17_1.8@-57.02,-35.11 ; U2_U_amp17.8@57.02,35.11 57.382,35.11 C4_U_amp17.2@60.109,37.837 61.91,37.837 C3_U_amp17.2@62.014,37.733 62.014,37.174 R2_U_amp17.1@60.871,36.031
NetC3_U_amp18_2: C3_U_amp18.2 C3_U_amp18_1.2 C4_U_amp18.2 C4_U_amp18_1.2 R2_U_amp18.1 R2_U_amp18_1.1 U2_U_amp18.8 U2_U_amp18_1.8 | length 16.7
  Bottom Layer w0.5: R2_U_amp18_1.1@-49.381,-36.031 -50.524,-37.174 C3_U_amp18_1.2@-50.524,-37.733 -50.42,-37.837 C4_U_amp18_1.2@-48.619,-37.837 -45.892,-35.11 U2_U_amp18_1.8@-45.53,-35.11 ; U2_U_amp18.8@45.53,35.11 45.892,35.11 C4_U_amp18.2@48.619,37.837 50.42,37.837 C3_U_amp18.2@50.524,37.733 50.524,37.174 R2_U_amp18.1@49.381,36.031
NetC3_U_amp19_2: C3_U_amp19.2 C3_U_amp19_1.2 C4_U_amp19.2 C4_U_amp19_1.2 R2_U_amp19.1 R2_U_amp19_1.1 U2_U_amp19.8 U2_U_amp19_1.8 | length 16.7
  Bottom Layer w0.5: R2_U_amp19_1.1@-37.891,-36.031 -39.034,-37.174 C3_U_amp19_1.2@-39.034,-37.733 -38.93,-37.837 C4_U_amp19_1.2@-37.129,-37.837 -34.402,-35.11 U2_U_amp19_1.8@-34.04,-35.11 ; U2_U_amp19.8@34.04,35.11 34.402,35.11 C4_U_amp19.2@37.129,37.837 38.93,37.837 C3_U_amp19.2@39.034,37.733 39.034,37.174 R2_U_amp19.1@37.891,36.031
NetC3_U_amp20_2: C3_U_amp20.2 C3_U_amp20_1.2 C4_U_amp20.2 C4_U_amp20_1.2 R2_U_amp20.1 R2_U_amp20_1.1 U2_U_amp20.8 U2_U_amp20_1.8 | length 16.7
  Bottom Layer w0.5: R2_U_amp20_1.1@-26.4,-36.031 -27.543,-37.174 C3_U_amp20_1.2@-27.543,-37.733 -27.439,-37.837 C4_U_amp20_1.2@-25.638,-37.837 -22.911,-35.11 U2_U_amp20_1.8@-22.549,-35.11 ; U2_U_amp20.8@22.549,35.11 22.911,35.11 C4_U_amp20.2@25.638,37.837 27.439,37.837 C3_U_amp20.2@27.543,37.733 27.543,37.174 R2_U_amp20.1@26.4,36.031
NetC3_U_amp21_2: C3_U_amp21.2 C3_U_amp21_1.2 C4_U_amp21.2 C4_U_amp21_1.2 R2_U_amp21.1 R2_U_amp21_1.1 U2_U_amp21.8 U2_U_amp21_1.8 | length 16.7
  Bottom Layer w0.5: R2_U_amp21_1.1@-14.91,-36.031 -16.053,-37.174 C3_U_amp21_1.2@-16.053,-37.733 -15.949,-37.837 C4_U_amp21_1.2@-14.148,-37.837 -11.421,-35.11 U2_U_amp21_1.8@-11.059,-35.11 ; U2_U_amp21.8@11.059,35.11 11.421,35.11 C4_U_amp21.2@14.148,37.837 15.949,37.837 C3_U_amp21.2@16.053,37.733 16.053,37.174 R2_U_amp21.1@14.91,36.031
NetC3_U_amp22_2: C3_U_amp22.2 C3_U_amp22_1.2 C4_U_amp22.2 C4_U_amp22_1.2 R2_U_amp22.1 R2_U_amp22_1.1 U2_U_amp22.8 U2_U_amp22_1.8 | length 16.7
  Bottom Layer w0.5: R2_U_amp22_1.1@-3.42,-36.031 -4.563,-37.174 C3_U_amp22_1.2@-4.563,-37.733 -4.459,-37.837 C4_U_amp22_1.2@-2.658,-37.837 0.069,-35.11 U2_U_amp22_1.8@0.431,-35.11 ; U2_U_amp22.8@-0.431,35.11 -0.069,35.11 C4_U_amp22.2@2.658,37.837 4.459,37.837 C3_U_amp22.2@4.563,37.733 4.563,37.174 R2_U_amp22.1@3.42,36.031
NetC3_U_amp23_2: C3_U_amp23.2 C3_U_amp23_1.2 C4_U_amp23.2 C4_U_amp23_1.2 R2_U_amp23.1 R2_U_amp23_1.1 U2_U_amp23.8 U2_U_amp23_1.8 | length 16.7
  Bottom Layer w0.5: U2_U_amp23.8@-91.041,71.05 -90.679,71.05 C4_U_amp23.2@-87.952,73.777 -86.151,73.777 C3_U_amp23.2@-86.047,73.673 -86.047,73.114 R2_U_amp23.1@-87.19,71.971 ; R2_U_amp23_1.1@87.19,-71.971 86.047,-73.114 C3_U_amp23_1.2@86.047,-73.673 86.151,-73.777 C4_U_amp23_1.2@87.952,-73.777 90.679,-71.05 U2_U_amp23_1.8@91.041,-71.05